# Altium PCB HallFM2_2.PcbDoc (part 1 of 3) (continued)
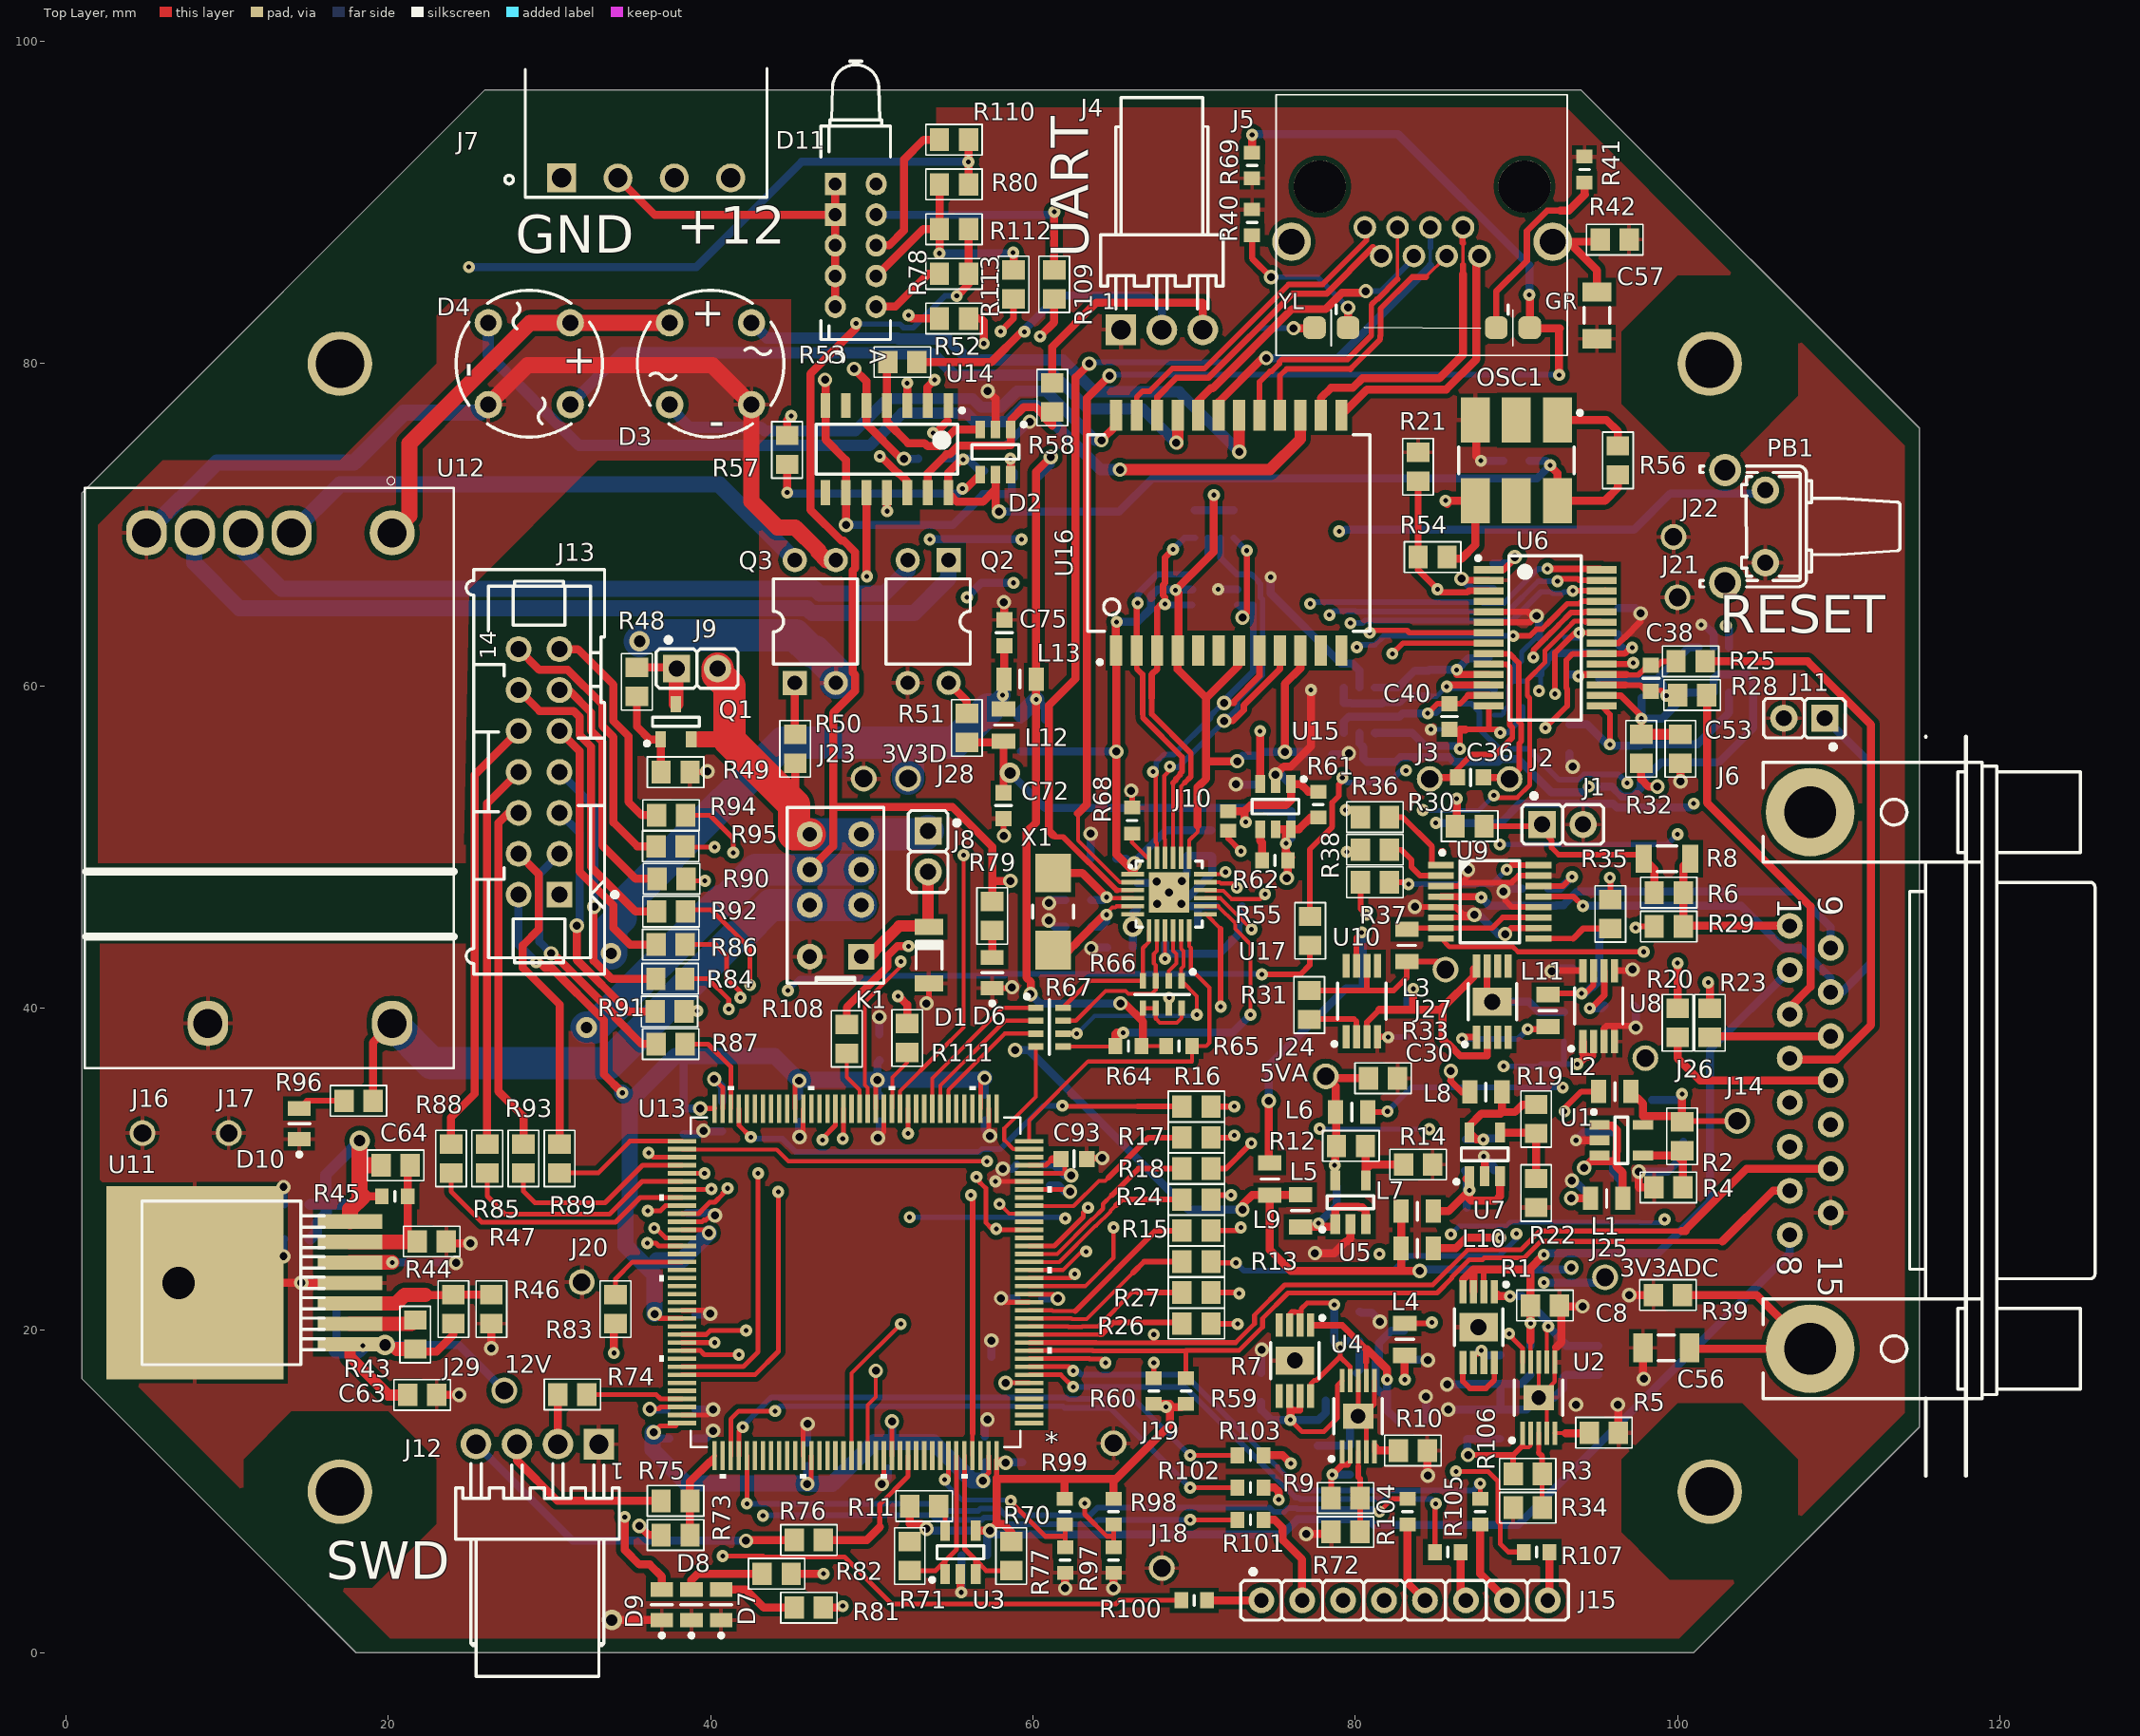
[diagram p0: Top Layer view]
## Components (designator, comment, footprint, x,y, rotation, side; value= is the part's Value field where it differs from the comment) (continued)
U16 "H5007NL" XFMR_PULSE_H5007NL 72.155,69.503 r90 top
U17 "LAN8742A-CZ" QFN24_0R5_4X4 68.45,47.175 r0 top
X1 "AA-25.000MHz" XTAL_AA 61.25,46 r270 top value=25.000MHz

## Footprints (in the part's own frame and the unit in brackets; to place one, negate y for a bottom-side part, rotate by r counter-clockwise, add the part's x,y. Pads: shape width x height; smd on the part's side, far side on the other; paste and mask are expansions set on the pad)
3M_2514-6002RB [mm] "14 Contacts - Straight .100\" x .100\" Low Profile Four-Wall Header"
  rect 1.6x1.6 hole 1: 1(-7.62,-1.27)
  round 1.6 hole 1: 2(-7.62,1.27) 3(-5.08,-1.27) 4(-5.08,1.27) 5(-2.54,-1.27) 6(-2.54,1.27) 7(0,-1.27) 8(0,1.27) 9(2.54,-1.27) 10(2.54,1.27) 11(5.08,-1.27) 12(5.08,1.27) 13(7.62,-1.27) 14(7.62,1.27)
  silkscreen extent -12.55,-4.85 12.55,4.52, body extent -12.55,-4.57 12.55,4.06, height 9.65
AMPHENOL_L717DFA15S1ATN [mm] "Right Angled D-Sub 15 Female Contacts with Metal Bracket and Front Female Screwlock (UNC4-40)"
  round 1.6 hole 0.9: 1(-9.59,-1.27) 2(-6.85,-1.27) 3(-4.11,-1.27) 4(-1.37,-1.27) 5(1.37,-1.27) 6(4.11,-1.27) 7(6.85,-1.27) 8(9.59,-1.27) 9(-8.22,1.27) 10(-5.48,1.27) 11(-2.74,1.27) 12(0,1.27) 13(2.74,1.27) 14(5.48,1.27) 15(8.22,1.27)
  round 5.5 hole 3.2: 16(-16.65,0) 17(16.65,0)
  silkscreen extent -19.75,-2.93 19.75,17.67, body extent -19.75,-2.93 19.75,17.67, height 13.45
CAPC1206 [mm]
  rect 1.2x1.8 smd: 1(-1.45,0) 2(1.45,0)
  silkscreen extent -0.5,-0.8 0.5,0.8, body extent -1.7,-0.9 1.7,0.9, height 0.7
CAPC1608X87N [mm]
  rect 0.95x1 smd: 1(-0.8,0) 2(0.8,0)
  silkscreen extent 0,-0.5 0,0.5, body extent -0.87,-0.47 0.88,0.48, height 0.87
CAY16x4 [mm] "Capacitor, Non-Polarized,Chip Array, 0.80mm Pitch; 8 Pin, 1.6mm W X 3.20mm L X 0.90mm H, IPC Medium Density"
  rect 0.95x0.4 smd: 1(-0.85,1.2) 2(-0.85,0.4) 3(-0.85,-0.4) 4(-0.85,-1.2) 5(0.85,-1.2) 6(0.85,-0.4) 7(0.85,0.4) 8(0.85,1.2)
  silkscreen extent -1.52,-1.7 0,2.02, body extent -0.87,-1.67 0.88,1.68, height 0.9
COMATEL_386.0358.1.08.440 [mm] "8 Contacts Straight Strip Header Pitch 2.54mm L=6.3mm ''Mini-Wire-Wrap''"
  round 1.6 hole 0.9: 1(0,0) 2(2.54,0) 3(5.08,0) 4(7.62,0) 5(10.16,0) 6(12.7,0) 7(15.24,0) 8(17.78,0)
  silkscreen extent -1.27,-1.23 19.05,1.93, body extent -1.27,-1.22 19.05,1.23, height 8
DIOMELF3515N [mm] "SOD80C, MELF Diode, 2-Leads, Body 3.5x1.5mm, IPC Medium Density"
  rect 1x1.75 smd: 1(-1.75,0) 2(1.75,0)
  silkscreen extent -0.85,-0.8 0.85,0.8, body extent -1.85,-0.8 1.85,0.8, height 1.6
DIP4-300 [mm] "DIP 4 Leads, Row Spacing 7.62 mm; Pitch 2.54 mm"
  rect 1.5x1.5 hole 0.9: 1(-3.81,1.27)
  round 1.5 hole 0.9: 2(-3.81,-1.27) 3(3.81,-1.27) 4(3.81,1.27)
  silkscreen extent -2.65,-2.61 2.65,2.61, body extent -3.93,-2.54 3.94,2.54, height 5.33
H401CHGYAD_LED_CB [mm] "Quad-Level 4x3mm Bi-Color Red/Green, LED CBI Circuit Board Indicator"
  rect 1.4x1.3 hole 0.8: 1(-4.762,-1.27) 2(-2.857,-1.27)
  oval 1.4x1.3 hole 0.8: 3(-0.952,-1.27) 4(0.953,-1.27) 5(2.858,-1.27) 6(2.858,1.27) 7(0.953,1.27) 8(-0.952,1.27) 9(-2.857,1.27) 10(-4.762,1.27)
  silkscreen extent -12.16,-2.16 4.89,2.16, body extent -12.16,-2.16 2.18,2.16, height 20.32
LED_OSRAM_LGR971 [mm] "Green Chip LED, 2-Leads, Body 2.0x1.25mm, IPC Medium Density"
  rect 0.9x1.4 smd: 1(-0.95,0) 2(0.95,0)
  silkscreen extent -2.02,-0.65 0,0.65, body extent -1.05,-0.67 1.05,0.68, height 0.9
LED_OSRAM_LOR976 [mm] "Orange Chip LED, 2-Leads, Body 2.0x1.25mm, IPC Medium Density"
  rect 0.9x1.4 smd: 1(-0.95,0) 2(0.95,0)
  silkscreen extent -2.02,-0.65 0,0.65, body extent -1.05,-0.67 1.05,0.68, height 0.9
LED_OSRAM_LYR976 [mm] "Yellow Chip LED, 2-Leads, Body 2.0x1.25mm, IPC Medium Density"
  rect 0.9x1.4 smd: 1(-0.95,0) 2(0.95,0)
  silkscreen extent -2.02,-0.65 0,0.65, body extent -1.05,-0.67 1.05,0.68, height 0.9
LQFP-144_STM-M [mil]
  rect 70x11 smd paste+0 mask+0: 1(-424,344.49) 2(-424,324.8) 3(-424,305.12) 4(-424,285.43) 5(-424,265.75) 6(-424,246.06) 7(-424,226.38) 8(-424,206.69) 9(-424,187.01) 10(-424,167.32) 11(-424,147.64) 12(-424,127.95) 13(-424,108.27) 14(-424,88.58) 15(-424,68.9) 16(-424,49.21) 17(-424,29.53) 18(-424,9.84) 19(-424,-9.84) 20(-424,-29.53) 21(-424,-49.21) 22(-424,-68.9) 23(-424,-88.58) 24(-424,-108.27) 25(-424,-127.95) 26(-424,-147.64) 27(-424,-167.32) 28(-424,-187.01) 29(-424,-206.69) 30(-424,-226.38) 31(-424,-246.06) 32(-424,-265.75) 33(-424,-285.43) 34(-424,-305.12) 35(-424,-324.8) 36(-424,-344.49) 73(424,-344.49) 74(424,-324.8) 75(424,-305.12) 76(424,-285.43) 77(424,-265.75) 78(424,-246.06) 79(424,-226.38) 80(424,-206.69) 81(424,-187.01) 82(424,-167.32) 83(424,-147.64) 84(424,-127.95) 85(424,-108.27) 86(424,-88.58) 87(424,-68.9) 88(424,-49.21) 89(424,-29.53) 90(424,-9.84) 91(424,9.84) 92(424,29.53) 93(424,49.21) 94(424,68.9) 95(424,88.58) 96(424,108.27) 97(424,127.95) 98(424,147.64) 99(424,167.32) 100(424,187.01) 101(424,206.69) 102(424,226.38) 103(424,246.06) 104(424,265.75) 105(424,285.43) 106(424,305.12) 107(424,324.8) 108(424,344.49)
  rect 11x70 smd paste+0 mask+0: 37(-344.49,-424) 38(-324.8,-424) 39(-305.12,-424) 40(-285.43,-424) 41(-265.75,-424) 42(-246.06,-424) 43(-226.38,-424) 44(-206.69,-424) 45(-187.01,-424) 46(-167.32,-424) 47(-147.64,-424) 48(-127.95,-424) 49(-108.27,-424) 50(-88.58,-424) 51(-68.9,-424) 52(-49.21,-424) 53(-29.53,-424) 54(-9.84,-424) 55(9.84,-424) 56(29.53,-424) 57(49.21,-424) 58(68.9,-424) 59(88.58,-424) 60(108.27,-424) 61(127.95,-424) 62(147.64,-424) 63(167.32,-424) 64(187.01,-424) 65(206.69,-424) 66(226.38,-424) 67(246.06,-424) 68(265.75,-424) 69(285.43,-424) 70(305.12,-424) 71(324.8,-424) 72(344.49,-424) 109(344.49,424) 110(324.8,424) 111(305.12,424) 112(285.43,424) 113(265.75,424) 114(246.06,424) 115(226.38,424) 116(206.69,424) 117(187.01,424) 118(167.32,424) 119(147.64,424) 120(127.95,424) 121(108.27,424) 122(88.58,424) 123(68.9,424) 124(49.21,424) 125(29.53,424) 126(9.84,424) 127(-9.84,424) 128(-29.53,424) 129(-49.21,424) 130(-68.9,424) 131(-88.58,424) 132(-108.27,424) 133(-127.95,424) 134(-147.64,424) 135(-167.32,424) 136(-187.01,424) 137(-206.69,424) 138(-226.38,424) 139(-246.06,424) 140(-265.75,424) 141(-285.43,424) 142(-305.12,424) 143(-324.8,424) 144(-344.49,424)
  silkscreen extent -479,-479 479,479, body extent -437,-437 437,437, height 63
Molex-43860-0010 [mm] "1 Port, 8 Positions, CAT5 RJ45 Modular Connector With Yellow And Green LEDs"
  round 3.25 hole 3.25 unplated: 0(-2.54,9.906) 0(-2.54,-2.794)
  round 1.4 hole 0.9: 1(0,0) 2(1.778,1.016) 3(0,2.032) 4(1.778,3.048) 5(0,4.064) 6(1.778,5.08) 7(0,6.096) 8(1.778,7.112)
  rrect50% 1.4x1.4 smd: 9(6.223,-3.124) 10(6.223,-1.041) 11(6.223,10.236) 12(6.223,8.153)
  round 2.4 hole 1.6: 13(0.889,-4.547) 14(0.889,11.659)
  silkscreen extent -8.22,-5.5 7.94,12.56, body extent -8.22,-5.5 7.94,12.56, height 2.75
MOLEX_22-05-7038 [mm] "2.54mm (.100\") Pitch KK® Wire-To-Board Header, Right Angle, With Friction Lock, 3 Circuits"
  rect 1.9x1.9 hole 1.2: 1(-2.54,0)
  round 1.9 hole 1.2: 2(0,-0.005) 3(2.54,0)
  silkscreen extent -3.81,1.31 3.81,14.42, body extent -3.81,-0.32 3.81,14.42, height 5.84
MOLEX_WF4-angle [mm] "2.54mm (.100\") Pitch KK® Wire-To-Board Header, Right Angle, With Friction Lock, 2 Circuits"
  rect 1.9x1.9 hole 1.2: 1(0,0)
  round 1.9 hole 1.2: 2(2.54,-0.005) 3(5.08,0) 4(7.62,-0.005)
  silkscreen extent -1.27,1.21 8.89,14.42, body extent -1.27,-0.32 8.89,14.42, height 5.84
"MURATA_MYBSP0122BABFT_0 - DUPLICATE" [mm]
  round 2.8 / inner rrect91% 2.8x2.2 / far side rrect91% 2.8x2.2 hole 1.8: 1(-16.27,6.42)
  rrect91% 2.8x2.5 hole 1.8: 2(-16.27,0.18) 3(-16.27,-2.82) 4(-16.27,-5.82) 5(-16.27,-8.82) 6(14.17,-5.01) 7(14.17,6.42)
  silkscreen extent -19.75,-12.65 16.95,10.25, body extent -18.77,-12.34 16.73,10.06, height 11.15
"NATIONAL_TO-PMOD-7 (TZA07A)" [mm] "TO-PMOD 7 Pin Package, NATIONAL Package TZA07A, 1.70mm pitch; 9.85mm L X 10.16mm W X 4.67mm H body"
  rect 4x0.89 smd: 1(-5.339,3.81) 2(-5.339,2.54) 3(-5.339,1.27) 4(-5.339,0) 5(-5.339,-1.27) 6(-5.339,-2.54) 7(-5.339,-3.81)
  rect 11x12 hole 2 copper offset -1,0: 8(5.291,0)
  silkscreen extent -3.73,-5.08 7.57,5.08, body extent -6.2,-5.08 7.57,5.08, height 4.77
OSC_PERICOM_FRETHE025 [mm] "SMD Oscillator, side convave, 6 pins, 5.00x7.00mm"
  rect 2.8x1.8 smd: 1(-2.5,2.54) 2(-2.5,0) 3(-2.5,-2.54) 4(2.5,-2.54) 5(2.5,0) 6(2.5,2.54)
  silkscreen extent -3.07,-3.58 0.83,4.07, body extent -2.57,-3.57 2.58,3.58, height 1.55
PB_ALPS_SKHHLQA010 [mm] "Body 6x6mm, Stem height 8.35mm, Horizontal Pushbutton Switch, ALPS Serie SKHH"
  round 1.7 hole 1: 1(-1.25,-2.25) 2(-1.25,2.25)
  round 2 hole 1.3: 3(1.25,-3.5) 4(1.25,3.5)
  silkscreen extent -9.6,-3.75 2.8,3.75, body extent -9.6,-4.25 2.8,4.25, height 7.4
PCBJumper [mm]
  rect 0.85x1 smd: 1(-0.6,0) 2(0.6,0)
PLS1 [mm]
  round 1.6 hole 1.1: 1(0,0)
PLS2 [mm] "2 Contacts Straight Strip Header Pitch 2.54mm L=6.7mm ''Mini-Wire-Wrap''"
  rect 1.7x1.7 hole 1: 1(0,0)
  round 1.7 hole 1: 2(2.54,0)
  silkscreen extent -1.27,-1.23 3.81,1.93, body extent -1.22,-1.25 3.86,1.25, height 9.5
QFN24_0R5_4X4 [mm] "SQFN 24 Pins, Pitch 0.5mm, 4mmx4mm"
  rect 1.4x0.28 smd: 1(-2.255,1.15) 2(-2.255,0.65) 3(-2.255,0.15) 4(-2.255,-0.35) 5(-2.255,-0.85) 6(-2.255,-1.35) 13(2.255,-1.35) 14(2.255,-0.85) 15(2.255,-0.35) 16(2.255,0.15) 17(2.255,0.65) 18(2.255,1.15)
  rect 0.28x1.4 smd: 7(-1.25,-2.355) 8(-0.75,-2.355) 9(-0.25,-2.355) 10(0.25,-2.355) 11(0.75,-2.355) 12(1.25,-2.355) 19(1.25,2.155) 20(0.75,2.155) 21(0.25,2.155) 22(-0.25,2.155) 23(-0.75,2.155) 24(-1.25,2.155)
  rect 2.5x2.5 all layers, no hole: 25(0,0)
  silkscreen extent -2.46,-2.15 2.05,1.95, body extent -2.05,-2.15 2.05,1.95, height 1
RECTRON_RB15 [mm] "Bridge Rectifier, Body 9.1mm diam. x 3.8mm H, RECTRON Case Type RB15"
  round 1.7 hole 1: 1(-2.54,2.54) 2(-2.54,-2.54) 3(2.54,-2.54) 4(2.54,2.54)
  silkscreen extent -4.55,-4.55 4.55,4.55, body extent -4.55,-4.55 4.55,4.55, height 11.7
REL_OMRON_G6J-2P-Y [mm] "THT Relay, Body 10.9mm x 6mm, OMRON_G6J-2P"
  rect 1.6x1.6 hole 0.9: 1(-3.8,-1.6)
  round 1.6 hole 0.9: 2(-0.6,-1.6) 3(1.6,-1.6) 4(3.8,-1.6) 5(3.8,1.6) 6(1.6,1.6) 7(-0.6,1.6) 8(-3.8,1.6)
  silkscreen extent -5.45,-3 5.45,3, body extent -5.45,-3 5.45,3, height 9.3
RESC1608X64N [mm]
  rect 0.85x1 smd: 1(-0.8,0) 2(0.8,0)
  silkscreen extent 0,-0.3 0,0.3, body extent -0.87,-0.47 0.88,0.48, height 0.64
RESC2012X50N [mm]
  rect 0.95x1.45 smd: 1(-1,0) 2(1,0)
  silkscreen extent 0,-0.55 0,0.55, body extent -1.1,-0.67 1.1,0.68, height 0.5
RESC3016X65N [mm] "Chip Resistor, EIA 1206, Metric 3016, Body 3.05x1.55mm, IPC Medium Density"
  rect 1x1.75 smd: 1(-1.45,0) 2(1.45,0)
  silkscreen extent -0.6,-0.8 0.6,0.8, body extent -1.6,-0.85 1.6,0.85, height 0.65
SMD0805CAP [mm]
  rect 1.2x1.4 smd: 1(0.102,0.002) 2(1.902,0.002)
  silkscreen extent -0.75,-0.95 2.75,0.95, body extent -0.02,-0.67 2.08,0.68, height 0.9
SMD0805RES [mm]
  rect 1.2x1.4 smd: 1(0.102,0.002) 2(1.902,0.002)
  silkscreen extent -0.75,-0.95 2.75,0.95, body extent 0,-0.63 2,0.63, height 0.51
SOIC127P600X175-14N [mm] "SOIC 14, Pitch 1.27mm - Body 4x8.75mm, IPC Medium Density"
  rect 1.55x0.6 smd: 1(-2.7,3.81) 2(-2.7,2.54) 3(-2.7,1.27) 4(-2.7,0) 5(-2.7,-1.27) 6(-2.7,-2.54) 7(-2.7,-3.81) 8(2.7,-3.81) 9(2.7,-2.54) 10(2.7,-1.27) 11(2.7,0) 12(2.7,1.27) 13(2.7,2.54) 14(2.7,3.81)
  silkscreen extent -2.52,-4.4 1.55,4.79, body extent -3.1,-4.37 3.1,4.38, height 1.75
SOP50P490X110-11N-R157X188 [mm] "SOP, 0.50mm, pitch; 10 pin, 3.00mm W X 3.00mm L X 1.10mm H body (w/thermal tab  1.57 X 1.88 mm), IPC Medium Density"
  rect 1.45x0.3 smd: 1(-2.2,1) 2(-2.2,0.5) 3(-2.2,0) 4(-2.2,-0.5) 5(-2.2,-1) 6(2.2,-1) 7(2.2,-0.5) 8(2.2,0) 9(2.2,0.5) 10(2.2,1)
  rect 1.57x1.88 hole 0.9: 11(0,0)
  silkscreen extent -2.77,-1.5 1.1,1.77, body extent -2.45,-1.55 2.45,1.55, height 1.1
SOP65P488X110-8N [mm] "SOP, 8-Leads, Body 3x3mm (max), Pitch 0.65mm, IPC Medium Density"
  rect 1.45x0.45 smd: 1(-2.2,0.975) 2(-2.2,0.325) 3(-2.2,-0.325) 4(-2.2,-0.975) 5(2.2,-0.975) 6(2.2,-0.325) 7(2.2,0.325) 8(2.2,0.975)
  silkscreen extent -2.77,-1.5 1.12,1.82, body extent -2.45,-1.55 2.45,1.55, height 1.1
SOP65P488X110-9N-R178X241 [mm] "SOP, 8-Leads, Body 3x3mm (max), Pitch 0.65mm, (w/thermal tab 2 .41 X 1.78 mm), IPC Medium Density"
  rect 1.45x0.45 smd: 1(-2.2,0.975) 2(-2.2,0.325) 3(-2.2,-0.325) 4(-2.2,-0.975) 5(2.2,-0.975) 6(2.2,-0.325) 7(2.2,0.325) 8(2.2,0.975)
  rect 1.75x2.4 hole 1: 9(0,0)
  silkscreen extent -2.77,-1.5 1.12,1.83, body extent -2.45,-1.55 2.45,1.55, height 1.1
SOP65P780X200-28N [mm] "SOP, 0.65mm Pitch; 28 Pin, 5.30mm W X 10.20mm L X 2.00mm H Body, IPC Medium Density"
  rect 1.85x0.45 smd: 1(-3.5,4.225) 2(-3.5,3.575) 3(-3.5,2.925) 4(-3.5,2.275) 5(-3.5,1.625) 6(-3.5,0.975) 7(-3.5,0.325) 8(-3.5,-0.325) 9(-3.5,-0.975) 10(-3.5,-1.625) 11(-3.5,-2.275) 12(-3.5,-2.925) 13(-3.5,-3.575) 14(-3.5,-4.225) 15(3.5,-4.225) 16(3.5,-3.575) 17(3.5,-2.925) 18(3.5,-2.275) 19(3.5,-1.625) 20(3.5,-0.975) 21(3.5,-0.325) 22(3.5,0.325) 23(3.5,0.975) 24(3.5,1.625) 25(3.5,2.275) 26(3.5,2.925) 27(3.5,3.575) 28(3.5,4.225)
  silkscreen extent -4.27,-5.1 2.25,5.1, body extent -4.11,-5.25 4.11,5.25, height 2
SOT23-5 [mm] "SOT, 0.95mm Pitch; 5 Pin,1.55mm W X 2.90mm L X 1.45mm H body, IPC Medium Density"
  rect 1.25x0.6 smd: 1(-1.35,0.95) 2(-1.35,0) 3(-1.35,-0.95) 4(1.35,-0.95) 5(1.35,0.95)
  silkscreen extent -1.82,-1.45 0.4,1.87, body extent -1.35,-1.45 1.35,1.45, height 1.45
SOT95P229X119-3N [mm] "SOT23 3-Leads, 0.95mm pitch; 3 pin, 1.296mm W X 2.858mm L X 1.194mm H body, IPC Medium Density"
  rect 1x0.65 smd: 1(-1.1,0.95) 2(-1.1,-0.95) 3(1.1,0)
  silkscreen extent -1.47,-1.45 0.28,1.92, body extent -1.25,-1.5 1.25,1.5, height 1.19
SOT95P270X145-6N [mm] "SOT, 0.95mm Pitch; 6 Pin,1.55mm W X 2.90mm L X 1.45mm H body, IPC Medium Density"
  rect 1.1x0.6 smd: 1(-1.4,0.95) 2(-1.4,0) 3(-1.4,-0.95) 4(1.4,-0.95) 5(1.4,0) 6(1.4,0.95)
  silkscreen extent -1.82,-1.45 0.45,1.88, body extent -1.35,-1.45 1.35,1.45, height 1.45
TE_284512-4 [mm]
  rect 1.8x1.8 / inner round 1.8 / far side rect 1.8x1.8 hole 1.2: 1(-5.25,0)
  round 1.8 hole 1.2: 2(-1.75,0) 3(1.75,0) 4(5.25,0)
  silkscreen extent -8.76,-1.2 7.5,6.8, body extent -8,-1.2 8,8, height 7.25
TSSOP-16 [mm]
  rect 1.6x0.4 smd: 1(-3.025,2.275) 2(-3.025,1.625) 3(-3.025,0.975) 4(-3.025,0.325) 5(-3.025,-0.325) 6(-3.025,-0.975) 7(-3.025,-1.625) 8(-3.025,-2.275) 9(3.025,-2.275) 10(3.025,-1.625) 11(3.025,-0.975) 12(3.025,-0.325) 13(3.025,0.325) 14(3.025,0.975) 15(3.025,1.625) 16(3.025,2.275)
  Top Layer circle w0.25: c-2.95,3.1 r0.125
  silkscreen extent -3.07,-2.55 1.85,3.17, body extent -3.12,-2.55 3.12,2.55, height 1.2
XFMR_PULSE_H5007NL [mm] "10/100BASE-T Magnetics Modules, Body 12.2 x 17.53mm"
  rect 1.905x0.76 smd: 1(-7.302,6.985) 2(-7.302,5.715) 3(-7.302,4.445) 4(-7.302,3.175) 5(-7.302,1.905) 6(-7.302,0.635) 7(-7.302,-0.635) 8(-7.302,-1.905) 9(-7.302,-3.175) 10(-7.302,-4.445) 11(-7.302,-5.715) 12(-7.302,-6.985) 13(7.302,-6.985) 14(7.302,-5.715) 15(7.302,-4.445) 16(7.302,-3.175) 17(7.302,-1.905) 18(7.302,-0.635) 19(7.302,0.635) 20(7.302,1.905) 21(7.302,3.175) 22(7.302,4.445) 23(7.302,5.715) 24(7.302,6.985)
  silkscreen extent -8.15,-8.76 6.1,8.76, body extent -8,-8.76 8,8.77, height 5.72
XTAL_AA [mm] "Resonator 5x3.mm 2pin"
  rect 2.4x2.2 smd: 1(-2.4,0) 2(2.4,0)
  silkscreen extent -0.4,-1.27 0.4,1.27, body extent -2.5,-1.6 2.5,1.6, height 1.3

## Part data
C1 C2 C3 C4 C5 C6 C7 C8 C9 C10 C11 C12 C13 C14 C15 C18 C19 C20 C21 C22 C23 C27 C28 C29 C30 C32 C33 C34 C35 C39 C41 C42 C43 C44 C46 C53 C54 C62 C63 C64 C65 C79 C86: library part C0805, "Чип конденсатор 0805", DielectricType=X5R, Tolerance=20%, Voltage=25V, Device=Cap0805, Pkg=SMD0805, Price=2, SMD Solders=2, Solder Option=RM, Vendor=Vishay
  C53 C54: Name to order=ECHU1C332JX5
C16 C17 C25 C26 C31 C36 C37 C38 C40 C47 C48 C49 C50 C51 C52 C55 C58 C59 C60 C61 C66 C67 C68 C69 C70 C71 C72 C73 C74 C75 C76 C77 C78 C80 C82 C83 C84 C85 C89 C90 C91 C92 C93 C94 C95 C96 C97 C98 C99 C100 C101 C102 C103: library part C0603, "Чип конденсатор 0603", DielectricType=X5R, Tolerance=20%, Voltage=50V, Device=Cap603, Pkg=SMD0603, Price=2, SMD Solders=2, Solder Option=RM, Vendor=Vishay
C24: library part C0805, "Чип конденсатор 0603", DielectricType=X5R, Tolerance=20%, Voltage=50V, Device=Cap603, Pkg=SMD0603, Price=2, SMD Solders=2, Solder Option=RM, Vendor=Vishay
C45: library part C1206, "Чип конденсатор 1206", DielectricType=X5R, Tolerance=1%, Voltage=16V, Device=Cap1206, Name to order=ECHU1C333JX5, Pkg=SMD1206, Price=2, SMD Solders=2, Solder Option=RM, Vendor=Vishay
C56 C57: library part C1206, "Чип конденсатор 1206", DielectricType=X5R, Tolerance=1%, Voltage=1000V, Device=Cap1206, Pkg=SMD1206, Price=2, SMD Solders=2, Solder Option=RM, Vendor=Vishay
C81 C87 C88: library part C0603, "Чип конденсатор 0603", DielectricType=NPO, Tolerance=20%, Voltage=50V, Device=Cap603, Pkg=SMD0603, Price=2, SMD Solders=2, Solder Option=RM, Vendor=Vishay
D1: "Fast diode", Current=150, Voltage=100, Device=DL4448, Name to order=SF18, Pkg="MiniMelf (DL35)", Price=10, SMD Solders=2, Solder Option=RM, Vendor="Shenzhen Luguang Electronic Technology"
D2 D5 D12 D13: library part IP4220, "Optotransistor", Current=0, Voltage=6V, Device=IP4220CZ6, Name to order=IP4220CZ6, Pkg=SOT23-6, Price=10, SMD Solders=6, Solder Option=RM, THD Solders=0, Vendor=NXP
D3 D4: "Diode Bridge Rectifier", Voltage=200V, Device=W02G, Name to order=W02G, Pkg=W02G, Price=20, SMD Solders=0, Solder Option=RM, THD Solders=4, Vendor=multicomp
D6 D7 D8 D9 D10: library part LED0805, "Чип светодиод 0805", Device=LED0805, Pkg=SMD0805, Price=10, SMD Solders=2, Solder Option=RM, THD Solders=0, Vendor=KB
D11: "4LEDs сборка", Device=H401C, Name to order=H401CHGYAD, Pkg=SMD0603, Price=700, SMD Solders=0, Solder Option=RM, THD Solders=8, Vendor=BIVAR
J2 J3: library part PLS1, "Штырь PLS1", Device=PLS1, Price=1, SMD Solders=0, Solder Option=RM, THD Solders=1, Vendor=Confly
J4: library part WF3R, "Вилка  WF3 угловая", Device=WF-3R, Name to order=WF-3R, Price=20, SMD Solders=0, Solder Option=RM, THD Solders=3, Vendor=Confly
J5: "1 Port, 8 Positions, CAT5 RJ45 Modular Connector With Yellow And Green fibers for LEDs", Device=Molex_438600010, Name to order=438600010, Pkg=Molex_438600010, Price=320, SMD Solders=4, Solder Option=RM, THD Solders=10, Vendor=Molex
J6: library part D_SUB_15F, "Вилка  DSUB 9 угловая", Device=DBR-15F, Name to order="DRB- 15MA (DBR-15F) (DS1037-15F)", Price=50, SMD Solders=0, Solder Option=RM, THD Solders=17, Vendor=Connfly
J7: "Вилка  WF4", Device=15EDGRC-3.5-04P-14, Name to order=15EDGRC-3.5-04P-14, Price=50, SMD Solders=0, Solder Option=RM, THD Solders=4, Vendor=Degson
J8: library part PLS2, "PLS2", Device=PLS2, Price=1, SMD Solders=0, Solder Option=RM, THD Solders=2, Vendor=Confly
J10: "PLS2", Device=JmpPCB, Price=1, SMD Solders=1, Solder Option=i, THD Solders=0, Vendor=-
J12: library part WF4R, "Вилка  WF4 угловая", Device=WF-4R, Name to order=WF-4R, Price=20, SMD Solders=0, Solder Option=RM, THD Solders=4, Vendor=Confly
J13: "Вилка  14конт., шаг: 2.54мм", Device=IDC14MS, Name to order="BH-14, DS1013-14S, IDC-14MS", Price=30, SMD Solders=0, Solder Option=RM, THD Solders=14, Vendor=Connfly
J14 J16 J17 J18 J19 J20 J21 J22 J23 J24 J25 J26 J27 J28 J29: "Штырь PLS1", Device=PLS1, Price=1, SMD Solders=0, Solder Option=RM, THD Solders=1, Vendor=Confly
J15: "Вилка  PLS8/2.54", Device=PLS8, Price=20, SMD Solders=0, Solder Option=RM, THD Solders=8, Vendor=Confly
K1: library part "G6J-2P-Y 12VDC", "Электромагнитное реле", Current=9mA, Voltage=110V, Device=G6J-2P-Y, Name to order="G6J-2P-Y 12VDC", Pkg=11x6mm, Price=200, SMD Solders=0, Solder Option=RM, THD Solders=8, Vendor=Omron
L1 L2 L3 L4 L5 L6 L7 L8 L9 L10 L11 L12 L13 L14: library part BLM21, "SMD Ferrite bead 0805", Device=BLM21, Pkg=SMD0805, Price=10, SMD Solders=2, Solder Option=RM, Vendor=Vishay
OSC1: library part XLH730, "Генератор кварцевый", Current=0, Device=XLH730, Name to order=XLH730004.915200I, Pkg=7x5mm, Price=400, SMD Solders=2, Solder Option=RM, THD Solders=0, Vendor=Renesas
PB1: library part PBAngle, "Push Button Angle NO", Device=PushButt, Name to order=2-1825027-0, Pkg=7x7mm, Price=1, SMD Solders=0, Solder Option=RM, THD Solders=4, Vendor="TE Conn"
Q1: "PMOS", Voltage=-30V, Device=AO3407A, Name to order=AO3407A, Pkg=SOT23, Price=10, SMD Solders=3, Solder Option=RM, THD Solders=0, Vendor=UMW
Q2 Q3: "Optotransistor", Current=0, Voltage=35V, Device=817B, Name to order=817B, Pkg=DIP4, Price=10, SMD Solders=0, Solder Option=RM, THD Solders=4, Vendor=UMW
R1 R7: library part LT5400, "4 прецизионных резистора", Tolerance=0..025%, Device=LT5400, Name to order=LT5400BMPMS8E-6#PBF, Pkg="MSOP 9-0.65", Price=2, Pwr=40C/W, SMD Solders=0, Solder Option=i, TC=200ppb/C, THD Solders=0, Vendor="Analog Devices"
R2 R3 R4 R5 R9 R10 R11 R12 R13 R14 R15 R16 R17 R18 R19 R20 R21 R22 R23 R24 R25 R26 R27 R28 R29 R30 R31 R32 R34 R35 R36 R37 R38 R39 R42 R43 R44 R46 R47 R48 R49 R50 R51 R52 R53 R54 R55 R56 R57 R58 R71 R72 R73 R74 R75 R76 R78 R79 R80 R81 R82 R83 R84 R85 R86 R87 R88 R89 R90 R91 R92 R93 R94 R95 R96 R108 R109 R110 R111 R112 R113: library part R0805, "Чип резистор 0805", Tolerance=1%, Device=Res0805, Pkg=SMD0805, Price=2, Pwr=125mW, SMD Solders=2, TC=100ppm/C, Vendor=Vishay
  R2 R3 R4 R5 R9 R10 R11 R12 R13 R15 R16 R17 R18 R19 R20 R23 R24 R25 R26 R27 R28 R29 R30 R31 R32 R34 R35 R36 R37 R38 R39 R42 R43 R44 R46 R47 R48 R49 R50 R51 R52 R53 R54 R57 R58 R71 R72 R73 R74 R75 R76 R78 R79 R80 R81 R82 R83 R84 R85 R86 R87 R88 R89 R90 R91 R92 R93 R94 R95 R96 R108 R109 R110 R111 R112 R113: Solder Option=RM
  R14 R21 R22 R55 R56: Solder Option=DNP
R6: library part Y1172, "Прецизионный чип резистор 0805", Tolerance=1%, Device=Y1172, Name to order=Y1172200R0000xxx, Pkg=SMD0805, Price=2, Pwr=125mW, SMD Solders=2, Solder Option=RM, TC=2ppm/C, Vendor=Vishay
R8: library part Y1496, "Прецизионный чип резистор 1206", Tolerance=1%, Device=Y1496, Name to order=Y1172200R0000xxx, Pkg=SMD1206, Price=2, Pwr=125mW, SMD Solders=2, Solder Option=DNP, TC=2ppm/C, Vendor=Vishay
R33: library part LT5400_7, "4 прецизионных резистора", Tolerance=0..025%, Device=LT5400, Name to order=LT5400BMPMS8E-7#PBF, Pkg="MSOP 9-0.65", Price=2, Pwr=40C/W, SMD Solders=0, Solder Option=i, TC=200ppb/C, THD Solders=0, Vendor="Analog Devices"
R40 R41 R45 R59 R60 R61 R62 R64 R65 R68 R69 R77 R97 R98 R99 R100 R101 R102 R103 R104 R105 R106 R107: library part R0603, "Чип резистор 0603", Tolerance=1%, Device=Res603, Pkg=SMD0603, Price=2, Pwr=60mW, SMD Solders=2, TC=100ppm/C, Vendor=Vishay
  R40 R41 R45 R59 R60 R61 R62 R64 R65 R68 R69 R77 R97 R98 R99: Solder Option=RM
  R100 R101 R102 R103 R104 R105 R106 R107: Solder Option=DNP
R63 R66 R67: library part CAY16, "Сборка из 4х чип резисторов", Tolerance=5%, Device=CAY16, Pkg=so8-80, Price=2, Pwr=60mW, SMD Solders=8, Solder Option=RM, TC=200ppm/C, THD Solders=0, Vendor=Bourns
  R63: Name to order="CAY16-510j4  or CAY16-510F4"
  R66: Name to order=CAY16-10k0j4
  R67: Name to order=CAY16-330j4
R70: library part R0805, "Чип резистор 0603", Tolerance=1%, Device=Res603, Pkg=SMD0603, Price=2, Pwr=60mW, SMD Solders=2, Solder Option=RM, TC=100ppm/C, Vendor=Vishay
U1 U5 U7: library part ADP7118, "Positive LDO Linear stabilizer", Device=ADP7118, Pkg=SOT23-5, Price=100, SMD Solders=5, Solder Option=RM, Vendor="Analog Devoces"
  U1 U5: Name to order=ADP7118AUJZ-5.0-R7
  U7: Name to order=ADP7118AUJZ-3.3-R7
U2 U4: "Current source v 100uA ref", Current=200ma, Tolerance=1%, Voltage="max 20V", Device=LT3042, Name to order=LT3042EMSE, Pkg="MSOP10 PowPad", Price=1200, SMD Solders=11, Solder Option=DiY, TC=10ppm/C, THD Solders=0, Vendor="Analog Devices Inc"
U3: library part AT24C, "Isolateted DC DC 5V->5V or 3V3 60mA", Current=2uA/2mA, Device=AT24C16, Name to order=AT24C16M5/TR, Pkg=SOT23-5, Price=20, SMD Solders=5, Solder Option=RM, THD Solders=0, Vendor=HGSemi
U6: library part ADS1234, "АЦП", Current=3, Voltage="2V7 to 5V3", Device=ADS1234, Name to order=ADS1234IPWR, Pkg=SOIC8_EP, Price=1500, SMD Solders=28, Solder Option=RM, TC=10-300nV/C, THD Solders=0, Vendor="Texas  Instruments"
U8: library part LTC6655B-5, "Low noise precision reference,", Voltage=max13.2V, Device=LTC6655, Name to order=LTC6655LNBHMS8-2.5, Pkg=MSOP65-8, Price=6000, SMD Solders=8, Solder Option=RM, TC=2ppm/C, Vendor="Analog Devices Inc"
U9: "Мультиплексор аналоговый дифференциальный 4 канала", Current=0, Device=ADG1609, Name to order=ADG1608BRUZ, Pkg=TSSOP65-16, Price=700, SMD Solders=16, Solder Option=RM, THD Solders=0, Vendor="Analog Devoces"
U10: "Op amp", Current=1, Voltage="+-5 to +-27.5V", Device=ADA4522, Pkg=MASOP8-65, Price=600, SMD Solders=8, Solder Option=RM, TC=1uV/C, Vendor="Analog Devices Inc"
U11: library part LMZ12003, "DC-DC Power Module", thVoltage=-, Device=LMZ12003, Name to order=LMZ12003EXT, Pkg="NDW 7", PkgCode=EXT, Price=11000, SMD Solders=8, Solder Option=EXT, THD Solders=0, Vendor="Texas Instruments"
U12: library part MYBSP0122BABFT, "POE isolated DC-DC 24W", Voltage=+12V, Device=MYBSP0122BABFT+CB, Name to order=MYBSP0, Pkg=35x23mm, Price=1000, SMD Solders=7, Solder Option=RM, THD Solders=0, Vendor=Murata
U13: "High-performance and DSP with FPU, Arm Cortex-M7 MCU with 1 Mbyte of Flash memory, 216 MHz CPU, Art Accelerator, L1 cache, HW crypto, SDRAM, TFT", Manufacturer_Name=STMicroelectronics, Copyright="Copyright (C) 2025 Ultra Librarian. All rights reserved.", Datasheet=https://www.st.com/resource/en/datasheet/stm32f756bg.pdf, Manufacturer_Part_Number=STM32F756ZGT6, Pkg=LQFP144, Price=4000, RefDes=RefDes, SMD Solders=144, THD Solders=0, Type=Type
U14: "6 триггеров Шмита с инверсией.", Voltage="2.. 6V", Device=74HC14D, Name to order=74HC14D, Pkg=SOIC14, Price=50, SMD Solders=14, Solder Option=RM, Vendor=NXP
U15: library part TPS3808, "Supervisory Circuit. Low-Quiescent-Current, Programmable-Delay", Current=6uA, thVoltage=3070mV, Device=TPS3808, Name to order=TPS3808G33DBV, Pkg=SOT23-6, Price=200, SMD Solders=6, Solder Option=RM, THD Solders=0, Vendor="Texas Instruments"
U16: "Ethernet transformer IEEE 802.3", Current=0, Device=H5007NL, Name to order=H5007NL, Pkg=SO24-1.27, Price=400, SMD Solders=24, Solder Option=RM, THD Solders=0, Vendor=Yageo
U17: library part LAN8742, "Supervisory Circuit. Low-Quiescent-Current, Programmable-Delay", Current=6uA, Device=LAN8742A-CZ, Name to order=LAN8742A-CZ, Pkg=VQFN25-0.50, Price=700, SMD Solders=25, Solder Option=i, THD Solders=0, Vendor=MicroChip
X1: library part AA-25, "Резонатор кварцевый", Current=0, Device=AA-, Name to order=AA-25.000MALE-T, Pkg=5x3,2, Price=300, SMD Solders=2, Solder Option=RM, THD Solders=0, Vendor=TXS
J1 J9 J11: Device=PLS2, Price=1, SMD Solders=0, Solder Option=RM, THD Solders=2, Vendor=Confly

## Free pads (board coordinates)
  round 4 hole 3: 0(17,10) 0(17,80) 0(102,10) 0(102,80)

## Via types
v1: diameter 0.75, hole 0.3, Top Layer to Bottom Layer, tented both sides, 242 vias
v2: diameter 0.9, hole 0.5, Top Layer to Bottom Layer, tented both sides, 133 vias
v3: diameter 1.27, hole 0.711, Top Layer to Bottom Layer, tented both sides, 8 vias
v4: diameter 0.9, hole 0.5, Top Layer to Bottom Layer, 5 vias

## Nets (pads, with @x,y where several pads share a name; then routed paths per layer and width w, separated by ;. In a path a pad name is that pad's centre, name@x,y a point inside that pad or via, vN(x,y) a via of type N, cw(c..) or ccw(c..) an arc to the next point about the centre after c; other vN are vias at no path point)
1+: C37.2 C47.2 D12.3 R20.2 U6.11 | length 43.8
  Top Layer w0.45: v1@86.3,60.705 U6.11@88.28,60.705
  Top Layer w0.5: R20.2@100,40 v1(100,42.8)
  Signal Layer 2 w0.35: v1(86.3,61) 87.55,59.75 87.55,51.587 v1(88.975,50.162) ; v1(100,42.8) v1(100,50.8)
  Bottom Layer w0.3: C37.2@84.555,60.955 C37.2@84.6,61
  Bottom Layer w0.35: v1(88.975,50.162) 99.362,50.162 v1(100,50.8)
  Bottom Layer w0.5: D12.3@81.2,59.9 82.65,59.9 83.705,60.955 C37.2@84.555,60.955 ; C37.2@84.6,61 v1(86.3,61) 87.025,61.725 C47.2@88.275,61.725
1-: C37.1 C48.2 D12.1 R23.2 U6.12 | length 51.9
  Top Layer w0.45: v1@85.8,60.055 U6.12@88.28,60.055
  Top Layer w0.5: v1(101.9,41.6) 102,41.5 R23.2@102,40
  Signal Layer 2 w0.35: v1(85,51.5) 85,52.938 85.8,53.738 85.8,55.739 85.679,55.861 v1(85.679,59.953) ; v1(101,52.7) 101.9,51.8 v1(101.9,41.6)
  Bottom Layer w0.3: C37.1@84.555,59.355 85.055,59.355 85.653,59.953 v1(85.679,59.953) v1@85.947,59.953
  Bottom Layer w0.5: D12.1@79.3,59.9 79.3,58.95 79.714,58.95 79.764,58.9 81.686,58.9 81.786,59 82.75,59 83.105,59.355 C37.1@84.555,59.355 ; v1(85,51.5) 89.025,51.5 90.225,52.7 95.993,52.7 96.243,52.45 100.75,52.45 v1(101,52.7) ; v1@85.947,59.953 88.432,59.953 C48.2@88.605,59.78
2+: C38.2 C49.2 D13.3 R25.2 U6.18 | length 19.1
  Top Layer w0.35: 96.811,60.705 96.836,60.68 97.568,60.68 97.963,61.075 98.15,61.075 C38.2@98.35,61.275 98.775,61.275 99.03,61.53 R25.2@99.905,61.53
  Top Layer w0.45: v1(93.855,60.603) 93.957,60.705 U6.18@95.28,60.705 96.811,60.705
  Signal Layer 2 w0.5: v1(93.855,60.603) 99.853,60.603 v1(103,63.75)
  Bottom Layer w0.5: C49.2@93.225,60.7 93.855,60.7 v1(93.855,60.603) ; v1(103,63.75) 103.2,63.55 D13.3@103.2,62.4
2-: C38.1 C50.2 D13.1 R28.2 U6.17 | length 11.9
  Top Layer w0.35: 96.77,60.055 97.67,60.055 98.05,59.675 C38.1@98.35,59.675 ; 98.97,59.73 v1(99.3,59.4)
  Top Layer w0.45: U6.17@95.28,60.055 96.77,60.055
  Bottom Layer w0.5: C50.2@95.155,60.43 98.741,60.43 ; v1(99.3,59.4) 99.105,59.595 99.105,60.066 98.741,60.43 ; D13.1@101.3,62.4 100.711,62.4 98.741,60.43
2V5ref: C31.2 L11.2 R33.1 U6.20 | length 37.4
  Top Layer w0.35: v1(91.8,57.4) 93.15,58.75 93.15,59.811 93.097,59.863 93.097,61.597 93.5,62 94.1,62
  Top Layer w0.4: v1(86.629,38.102) 86.732,38.205 R33.1@87.53,38.205 ; v1(90.7,38.7) 91.7,38.7 L11.2@91.85,38.85 ; 94.1,62 95.07,62 95.1,62.03 95.255,62.03 U6.20@95.28,62.005 96.711,62.005 97.086,62.38 v1(97.183,62.38)
  Signal Layer 2 w0.35: v1(90.7,38.7) 91.375,39.375 91.375,47.135 91.4,47.161 91.4,48.575 92.95,50.125 92.95,50.858 92.915,50.893 92.915,53.843 92.5,54.258 92.5,56.7 v1(91.8,57.4)
  Bottom Layer w0.35: v1(86.629,38.102) 90.102,38.102 v1(90.7,38.7) ; v1@97.025,62.279 97.126,62.38 v1(97.183,62.38)
  Bottom Layer w0.5: C31.2@96.325,63.225 96.325,62.6 96.646,62.279 v1@97.025,62.279
3+: C40.2 C51.2 D12.6 R29.2 U6.13 | length 36.3
  Top Layer w0.35: v1(84.5,58.3) 85.1,58.9 C40.2@85.85,58.9 86.5,58.9 87.005,59.405 ; v1(97.4,45) 97.475,45.075 R29.2@98.55,45.075
  Top Layer w0.45: 87.005,59.405 U6.13@88.28,59.405
  Signal Layer 2 w0.35: v1(96.875,53.975) 97.015,53.835 97.015,45.385 v1(97.4,45)
  Bottom Layer w0.355: v1(84.5,58.3) 85.009,58.3 85.433,58.724 85.433,58.733 85.6,58.9 C51.2@86.6,58.9 87.2,58.9 87.7,58.4 87.7,57.336 88.933,56.102 90.723,56.102 92.654,54.172 93.858,54.172 94.188,54.502 96.348,54.502 v1(96.875,53.975)
  Bottom Layer w0.5: D12.6@79.3,57.1 79.3,57.8 79.6,58.1 82.75,58.1 82.95,58.3 v1(84.5,58.3)
3-: C40.1 C52.2 D12.4 R30.2 U6.14 | length 18.5
  Top Layer w0.35: v1(86.5,56.1) 86.5,57.3 ; 86.825,57.3 88.3,57.3 ; U6.14@88.28,58.755 88.28,57.32 88.3,57.3 ; v1(89,57.1) 89,57.3 88.3,57.3
  Top Layer w0.5: R30.2@86.2,51.3 86.3,51.4 v1(86.3,53) ; 86.5,57.3 86.825,57.3
  Signal Layer 2 w0.35: v1(86.3,53) 86.5,53.2 v1(86.5,56.1)
  Bottom Layer w0.35: v1(89,57.1) 89.45,57.1 90.4,58.05 C52.2@90.4,58.7
  Bottom Layer w0.5: D12.4@81.25,57.05 D12.4@81.2,57.1 83.525,57.1 84.35,56.275 86.325,56.275 v1(86.5,56.1)
"3V3 Ethernet": C74.2 C76.2 C80.2 C84.2 C86.2 L13.2 L14.2 R64.1 R65.1 R66.5 R66.6 R66.8 U17.9 | length 67.9
  Top Layer w0.25: R64.1@66.725,37.65 R65.1@68.275,37.65 ; 66.825,39.175 R66.5@66.825,40 R66.6@67.625,40 67.625,39.35 67.875,39.1 68.925,39.1 69.225,39.4 R66.8@69.225,40 ; v1(68.2,43.075) U17.9@68.2,44.82
  Top Layer w0.5: v2(59.852,40.877) 59.852,40.698 59.875,40.675 59.875,41.625 59.6,41.9 59.6,50.925 60.2,51.525 v1(60.2,59.175) L13.2@60.2,60.425 60.2,73.3 v2(61.1,74.2) ; v2(65.425,40.3) 65.7,40.3 66.825,39.175 66.825,37.75 R64.1@66.725,37.65
  Signal Layer 2 w0.5: v2(65.425,40.3) v1(68.2,43.075)
  Bottom Layer w0.5: L14.2@59.25,57.925 L14.2@59.25,58.225 ; v2(59.852,40.877) 60.429,40.3 v2(65.425,40.3) ; v1(60.2,59.175) 60.75,58.625 C76.2@60.75,57.925 ; C74.2@60.37,73.005 61.1,73.735 v2(61.1,74.2) ; v1(68.2,43.075) 68.2,43.375 C86.2@70.25,43.375 71.558,43.375 72.741,44.558 72.741,45.242 72.975,45.476 C84.2@72.975,46.325 ; C80.2@68.2,43.575 C80.2@68.2,44.02
  Bottom Layer w1: L14.2@59.25,58.225 v1(60.2,59.175)
3V3D_ADC: C26.1 L8.2 U6.1 | length 41.6
  Top Layer w0.4: v2(85.929,36.102) 85.929,35.529 85.9,35.5 86.6,34.8 86.605,34.805 L8.2@87.105,34.805 ; U6.1@88.28,67.205 89.205,67.205 89.9,67.9 v2(89.9,68)
  Signal Layer 2 w0.5: v2(85.929,36.102) 85.929,37.604 85.775,37.758 85.775,40.386 87.119,41.73 87.703,41.73 90.2,44.227 90.2,48.233 90.225,48.258 90.225,49.026 89.8,49.451 89.8,52.682 90.825,53.707 90.825,56.43 90.425,56.83 90.425,56.842 88.8,58.467 88.8,66.9 v2(89.9,68)
  Bottom Layer w0.5: C26.1@88.58,67.605 89.505,67.605 v2(89.9,68)